# Altium PCB Copy of master.PcbDoc (part 1 of 7) (continued)
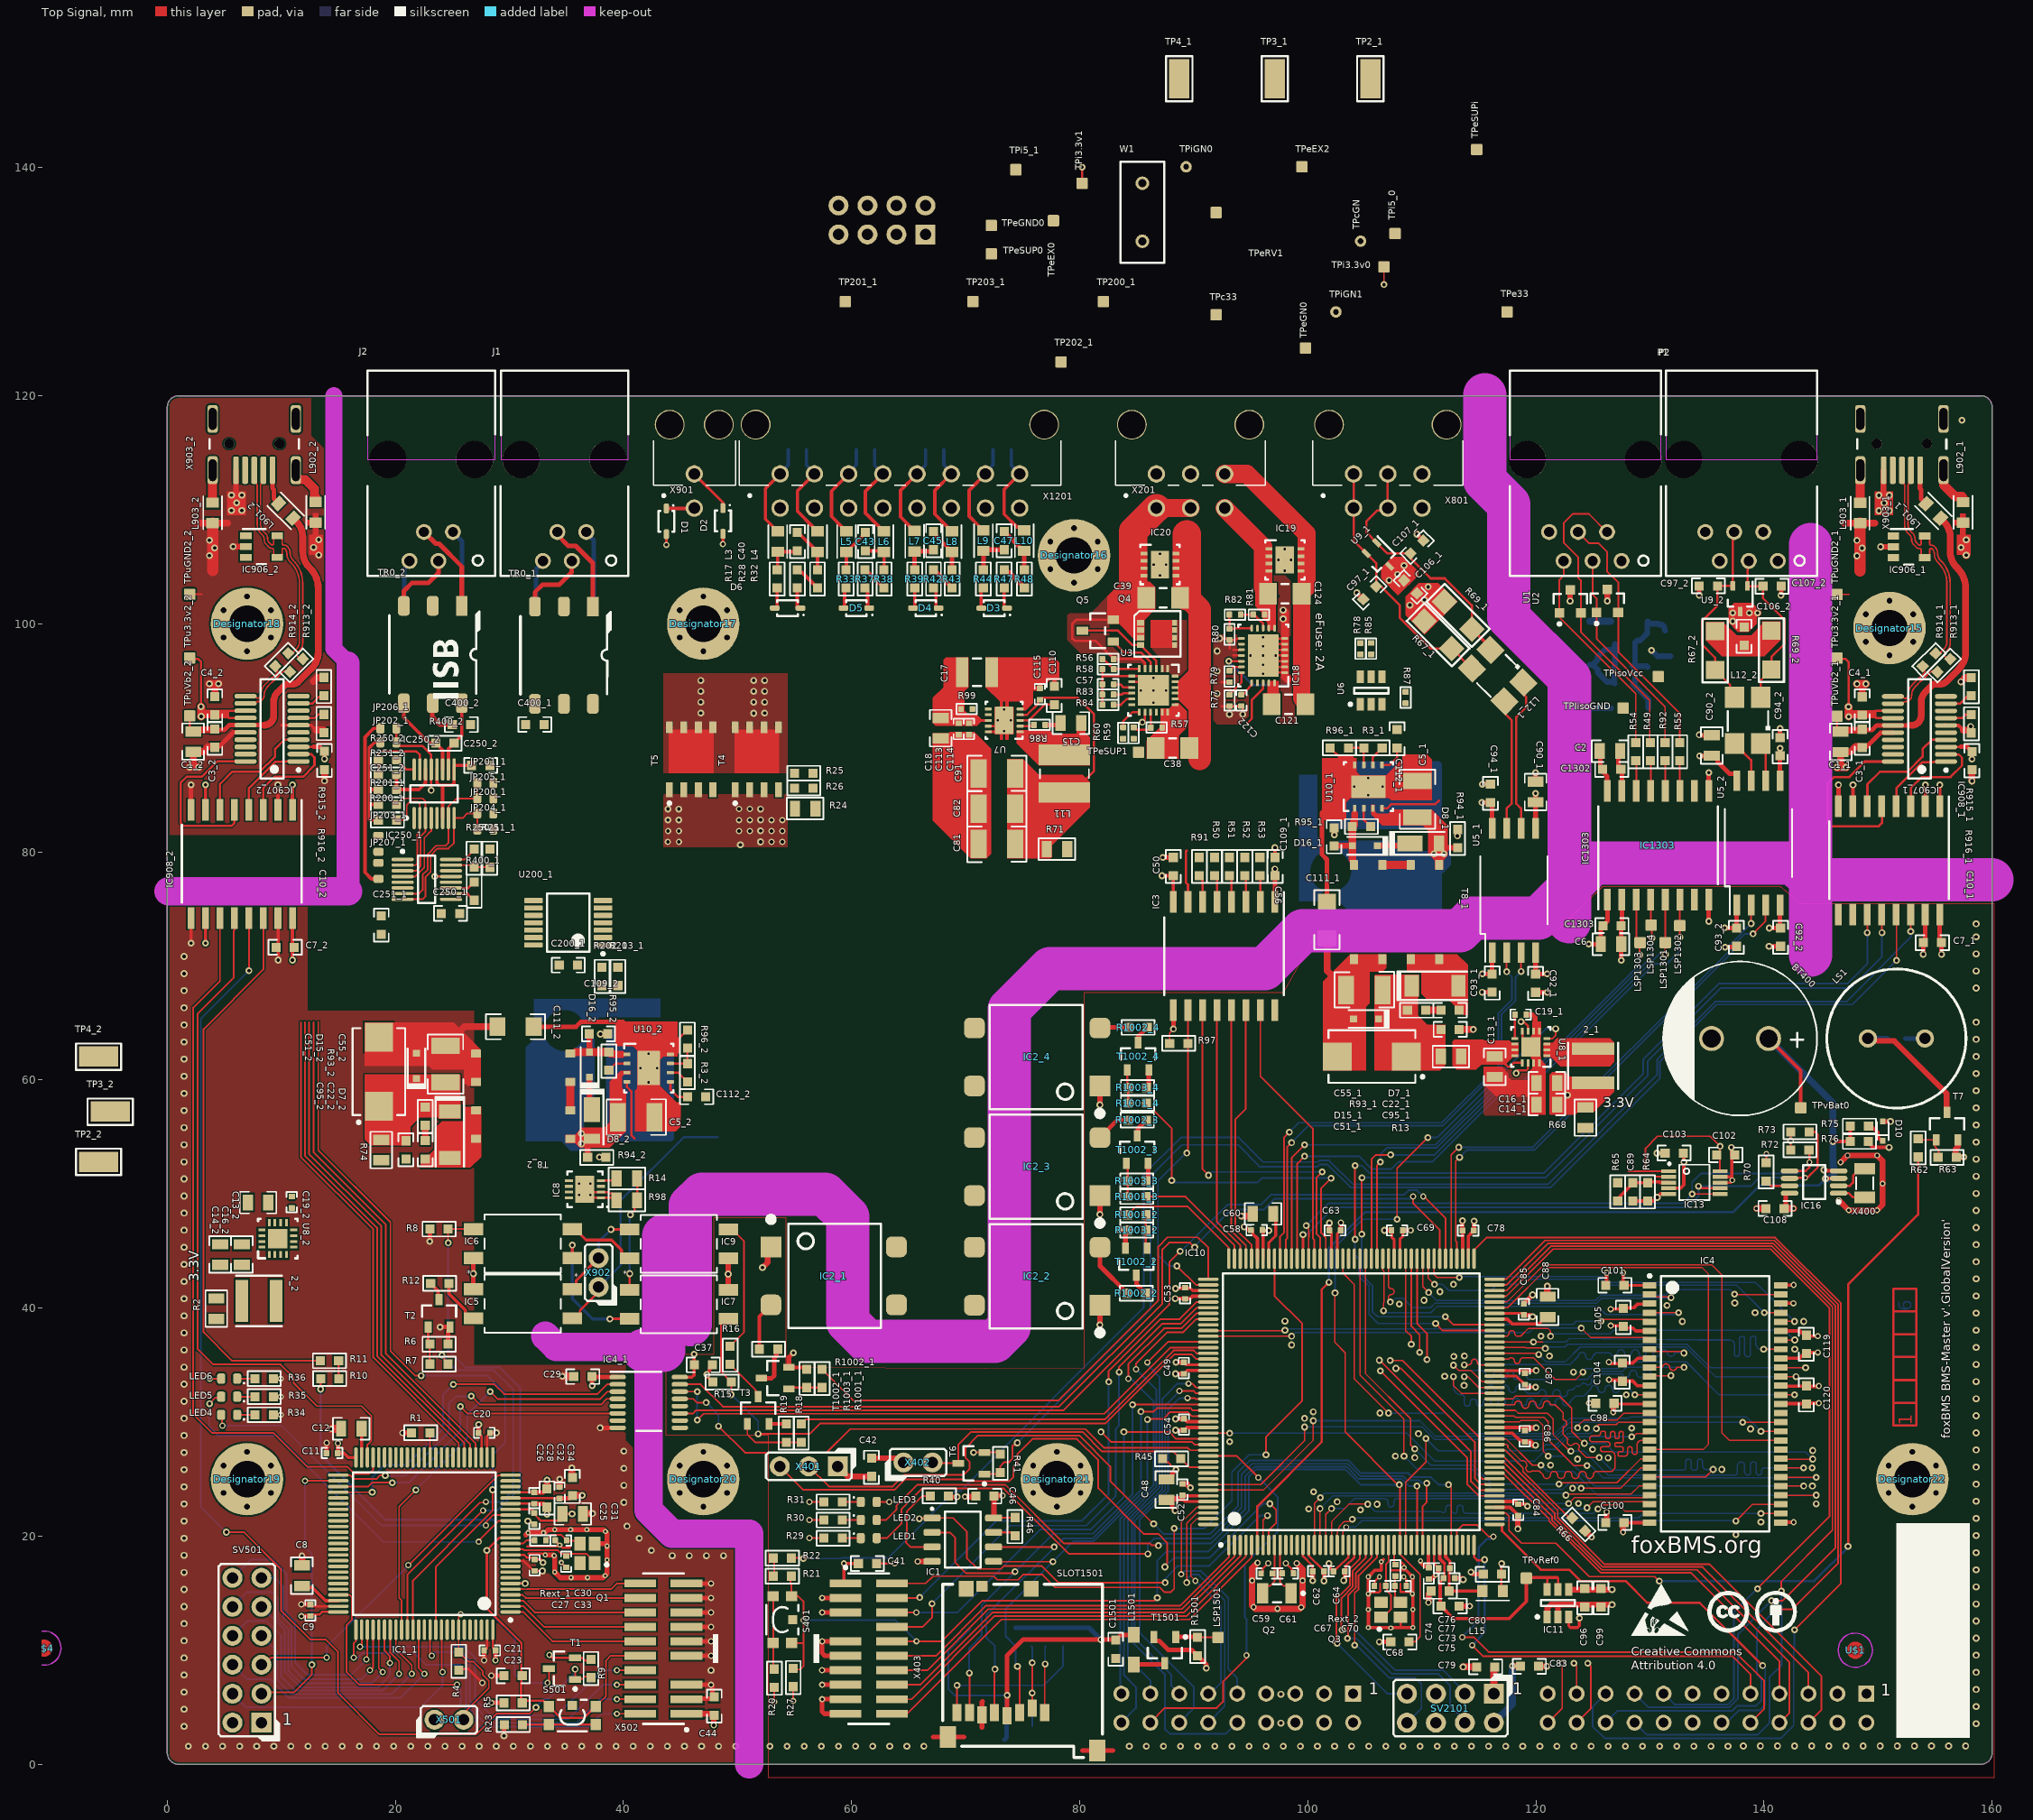
[diagram p0: Top Signal view]
## Design rules (kind name [scope] priority, off if disabled: settings) (continued)
SMDEntry [All] p1: side=TRUE corner=TRUE anyangle=TRUE
SilkToSilkClearance [All] p1: silktosilkclearance=0
SilkToSolderMaskClearance [IsPad] p1: minsilkscreentomaskgap=0.075 clearancetoexposedcopper=TRUE
SolderMaskExpansion SolderMaskExpansion_VIAs [IsVia] p1: expansion=-10 // Cover all Vias
SolderMaskExpansion [All] p2: expansion=0.051
UnRoutedNet [All] p1: checkbadconnections=TRUE
UnpouredPolygon UnpouredPolygon_1 [All] p1:
Width "Schematic Width Constraint" [InNetClass('FMC.SDRAM')] p1: maxlimit=0.44 minlimit=0.12 preferedwidth=0.44 toplayer_maxwidth=0.12 toplayer_prefwidth=0.12 midlayer1_minwidth=0.44 bottomlayer_maxwidth=0.12 bottomlayer_prefwidth=0.12 minimp=50.000000 maximp=50.000000 favimp=50.000000
Width [All] p2: maxlimit=20 minlimit=0.1 preferedwidth=0.2 toplayer_prefwidth=0.15 bottomlayer_prefwidth=0.15 minimp=50.000000 maximp=50.000000 favimp=50.000000
15 further rules are at their usual default settings.

## Classes and differential pairs
net class ISO_BAT: PRI_OUT_N PRI_OUT_P PRI_REV_N PRI_REV_P SEC_OUT_N SEC_OUT_P SEC_REV_N SEC_REV_P
net class ISO_BAT_UP: PRI_OUT_N PRI_OUT_P SEC_OUT_N SEC_OUT_P
net class ISO_BAT_DOWN: PRI_REV_N PRI_REV_P SEC_REV_N SEC_REV_P
channel class IsoDcDc-BSR033A: MCU_0_ISO MCU_1_ISO
channel class dcdc_5v0_3v3: MCU_0_VCC MCU_1_VCC
channel class CAN_new: U_08_CAN0 U_08_CAN1
net class RS485_0: +3.3V_COM GND_COM NetIC1303_11 NetIC1303_12 NetIC1303_13 NetIC1303_14 RS485_A_EXT RS485_B_EXT RS485_Y_EXT RS485_Z_EXT
net class ISO_COM: +3-4.5v_out +3.3V_COM GND_COM NetD12_2 NetD14_2 NetL14_4 NetL14_5 NetL14_6
net class HV_Nets: +9-30V_IN_1 NetC5_1_2 NetC5_2_2 NetC35_1_2 NetC35_2_2 NetC109_1_2 NetC109_2_2
component class U_03_supply1: LED3 LED6 R2 R13 R31 R36 R68 R71 R74 R78 R85 R87 R88 R99 TPc33 TPcGN TPe33 TPeEX0 TPeEX2 TPeGN0 TPi3.3v0 TPi3.3v1 TPi5_0 TPi5_1 TPiGN0 TPiGN1 U6 W1
component class MCU_1_VCC: 2_2 C13_2 C14_2 C16_2 C19_2 U8_2
component class MCU_1_ISO: C5_2 C22_2 C24_2 C35_2 C36_2 C51_2 C55_2 C95_2 C109_2 C111_2 C112_2 D7_2 D8_2 D15_2 D16_2 L1_2 L2_2 R3_2 R93_2 R94_2 R95_2 R96_2 T8_2 TP2_2 TP3_2 TP4_2 U10_2
component class MCU_0_VCC: 2_1 C13_1 C14_1 C16_1 C19_1 U8_1
component class MCU_0_ISO: C5_1 C22_1 C24_1 C35_1 C36_1 C51_1 C55_1 C95_1 C109_1 C111_1 C112_1 D7_1 D8_1 D15_1 D16_1 L1_1 L2_1 R3_1 R93_1 R94_1 R95_1 R96_1 T8_1 TP2_1 TP3_1 TP4_1 U10_1
component class EXT_SUPPLY_VCC: C15 C17 C18 C81 C82 C91 C110 C113 C114 C115 L11 R86 U7
component class COM_EXT_ISO: C65 C66 C71 C72 D12 D13 D14 L14 R89 TPIisoGND TPisoVcc U4
channel class 0301_LTC6820_chip: U_0301_LTC6820_forward1 U_0301_LTC6820_forward2 U_0301_LTC6820_reverse1 U_0301_LTC6820_reverse2
channel class 03_LTC6820: "Primary LTC6820" "Secondary LTC6820"
component class U_0301_LTC6820_reverse2: C250_4 C251_4 C400_4 IC250_4 R250_4 R251_4 R400_4 TR0_4
component class U_0301_LTC6820_reverse1: C250_2 C251_2 C400_2 IC250_2 R250_2 R251_2 R400_2 TR0_2
component class U_0301_LTC6820_forward2: C250_3 C251_3 C400_3 IC250_3 R250_3 R251_3 R400_3 TR0_3
component class U_0301_LTC6820_forward1: C250_1 C251_1 C400_1 IC250_1 R250_1 R251_1 R400_1 TR0_1
component class U_08_memorycard: C1501 C1502 L1501 LSP1501 LSP1502 LSP1503 LSP1504 LSP1505 R1501 R1502 R1503 R1504 R1505 R1506 R1507 SLOT1501 T1501
component class U_08_CAN1: C90_2 C92_2 C93_2 C94_2 C97_2 C106_2 C107_2 L12_2 R67_2 R69_2 U5_2 U9_2
component class U_07_isolated_rs485: C2 C6 C1302 C1303 IC1303 LSP1301 LSP1302 LSP1303 LSP1304 R49 R54 R55 R92 U1 U2
component class "Secondary LTC6820": C200_2 JP200_2 JP201_2 JP202_2 JP203_2 JP204_2 JP205_2 JP206_2 JP207_2 R200_2 R201_2 R202_2 R203_2 TP200_2 TP201_2 TP202_2 TP203_2 U200_2
component class "Secondary Galvanic Isolation": J1 J2
component class "Primary LTC6820": C200_1 JP200_1 JP201_1 JP202_1 JP203_1 JP204_1 JP205_1 JP206_1 JP207_1 R200_1 R201_1 R202_1 R203_1 TP200_1 TP201_1 TP202_1 TP203_1 U200_1
component class hierarchy: P1 P2 X801
differential pair class USB_DP: D_1 D_2 U_1 U_2
channel class contactor_single: CON0 CON1 CON2 CON3 CON4 CON5
component class CON3: D1001_4 IC2_4 R1001_4 R1002_4 R1003_4 T1002_4
component class CON2: D1001_3 IC2_3 R1001_3 R1002_3 R1003_3 T1002_3
component class CON1: D1001_2 IC2_2 R1001_2 R1002_2 R1003_2 T1002_2
component class CON0: D1001_1 IC2_1 R1001_1 R1002_1 R1003_1 T1002_1
channel class isolated_usb_single: USB0 USB1
component class USB1: C1_2 C3_2 C4_2 C7_2 C10_2 IC906_2 IC907_2 IC908_2 L901_2 L902_2 L903_2 R913_2 R914_2 R915_2 R916_2 TPu3.3v2_2 TPuGND2_2 TPuVb2_2 X903_2
component class USB0: C1_1 C3_1 C4_1 C7_1 C10_1 IC906_1 IC907_1 IC908_1 L901_1 L902_1 L903_1 R913_1 R914_1 R915_1 R916_1 TPu3.3v2_1 TPuGND2_1 TPuVb2_1 X903_1
net class FMC.UDQ: FMC_MCU_0_RAM_D0 FMC_MCU_0_RAM_D1 FMC_MCU_0_RAM_D2 FMC_MCU_0_RAM_D3 FMC_MCU_0_RAM_D4 FMC_MCU_0_RAM_D5 FMC_MCU_0_RAM_D6 FMC_MCU_0_RAM_D7 FMC_MCU_0_RAM_D8 FMC_MCU_0_RAM_D9 FMC_MCU_0_RAM_D10 FMC_MCU_0_RAM_D11 FMC_MCU_0_RAM_D12 FMC_MCU_0_RAM_D13 FMC_MCU_0_RAM_D14 FMC_MCU_0_RAM_D15
net class FMC.SDRAM: FMC_MCU_0_RAM_A0 FMC_MCU_0_RAM_A1 FMC_MCU_0_RAM_A2 FMC_MCU_0_RAM_A3 FMC_MCU_0_RAM_A4 FMC_MCU_0_RAM_A5 FMC_MCU_0_RAM_A6 FMC_MCU_0_RAM_A7 FMC_MCU_0_RAM_A8 FMC_MCU_0_RAM_A9 FMC_MCU_0_RAM_A10 FMC_MCU_0_RAM_A11 FMC_MCU_0_RAM_BA0 FMC_MCU_0_RAM_BA1 FMC_MCU_0_RAM_D0 FMC_MCU_0_RAM_D1 FMC_MCU_0_RAM_D2 FMC_MCU_0_RAM_D3 FMC_MCU_0_RAM_D4 FMC_MCU_0_RAM_D5 FMC_MCU_0_RAM_D6 FMC_MCU_0_RAM_D7 FMC_MCU_0_RAM_D8 FMC_MCU_0_RAM_D9 FMC_MCU_0_RAM_D10 FMC_MCU_0_RAM_D11 FMC_MCU_0_RAM_D12 FMC_MCU_0_RAM_D13 FMC_MCU_0_RAM_D14 FMC_MCU_0_RAM_D15 FMC_MCU_0_RAM_NBL0 FMC_MCU_0_RAM_NBL1 FMC_MCU_0_RAM_SDCKE1 FMC_MCU_0_RAM_SDCLK FMC_MCU_0_RAM_SDNCAS FMC_MCU_0_RAM_SDNE1 FMC_MCU_0_RAM_SDNRAS FMC_MCU_0_RAM_SDNWE
net class FMC.LDQ: FMC_MCU_0_RAM_D0 FMC_MCU_0_RAM_D1 FMC_MCU_0_RAM_D2 FMC_MCU_0_RAM_D3 FMC_MCU_0_RAM_D4 FMC_MCU_0_RAM_D5 FMC_MCU_0_RAM_D6 FMC_MCU_0_RAM_D7 FMC_MCU_0_RAM_D8 FMC_MCU_0_RAM_D9 FMC_MCU_0_RAM_D10 FMC_MCU_0_RAM_D11 FMC_MCU_0_RAM_D12 FMC_MCU_0_RAM_D13 FMC_MCU_0_RAM_D14 FMC_MCU_0_RAM_D15
net class FMC.DQM: FMC_MCU_0_RAM_D0 FMC_MCU_0_RAM_D1 FMC_MCU_0_RAM_D2 FMC_MCU_0_RAM_D3 FMC_MCU_0_RAM_D4 FMC_MCU_0_RAM_D5 FMC_MCU_0_RAM_D6 FMC_MCU_0_RAM_D7 FMC_MCU_0_RAM_D8 FMC_MCU_0_RAM_D9 FMC_MCU_0_RAM_D10 FMC_MCU_0_RAM_D11 FMC_MCU_0_RAM_D12 FMC_MCU_0_RAM_D13 FMC_MCU_0_RAM_D14 FMC_MCU_0_RAM_D15
net class FMC.CNTRL: FMC_MCU_0_RAM_NBL0 FMC_MCU_0_RAM_NBL1 FMC_MCU_0_RAM_SDCKE1 FMC_MCU_0_RAM_SDCLK FMC_MCU_0_RAM_SDNE1
net class FMC.CMD: FMC_MCU_0_RAM_SDNCAS FMC_MCU_0_RAM_SDNRAS FMC_MCU_0_RAM_SDNWE
net class FMC.ADR: FMC_MCU_0_RAM_A0 FMC_MCU_0_RAM_A1 FMC_MCU_0_RAM_A2 FMC_MCU_0_RAM_A3 FMC_MCU_0_RAM_A4 FMC_MCU_0_RAM_A5 FMC_MCU_0_RAM_A6 FMC_MCU_0_RAM_A7 FMC_MCU_0_RAM_A8 FMC_MCU_0_RAM_A9 FMC_MCU_0_RAM_A10 FMC_MCU_0_RAM_A11 FMC_MCU_0_RAM_BA0 FMC_MCU_0_RAM_BA1
net class ISO_MCU_USB: D_1_N D_1_P D_2_N D_2_P ISO_FTDI_DTR_1 ISO_FTDI_DTR_2 ISO_FTDI_RTS_1 ISO_FTDI_RTS_2 ISO_FTDI_RX_1 ISO_FTDI_RX_2 ISO_FTDI_TX_1 ISO_FTDI_TX_2 NetIC907_1_7 NetIC907_1_9 NetIC907_2_7 NetIC907_2_9 NetIC1401_1 NetIC1401_3 NetIC1402_5 NetIC1402_8 NetIC1402_10 NetIC1402_17 NetIC1402_18 NetIC1402_19 NetL902_1_2 NetL902_2_2 NetL903_1_2 NetL903_2_2 NetX1401_4 NetX1401_6 NetX1401_7 NetX1401_8 NetX1401_9 U_1_N U_1_P U_2_N U_2_P USB_+3.3V_1 USB_+3.3V_2 USB_+VBUS_1 USB_+VBUS_2 USB_GND_1 USB_GND_2 USB_VBUS_1 USB_VBUS_2
net class ISO_MCU: +3.3V_0 +3.3V_0+ +3.3V_0_IN +5.0V_0 +5.0V_0+ +Vbat_0 +Vdda_0 +Vref_0 ADC_MCU_0_CH_0 ADC_MCU_0_CH_1 ADC_MCU_0_CH_2 ADC_MCU_0_CH_3 ADC_MCU_0_CH_4 BMS-INTERFACE_0_GPIO_0 BMS-INTERFACE_0_GPIO_1 BMS-INTERFACE_0_GPIO_2 BMS-INTERFACE_0_GPIO_3 BMS-INTERFACE_0_SPI_CS BMS-INTERFACE_0_SPI_MISO BMS-INTERFACE_0_SPI_MOSI BMS-INTERFACE_0_SPI_SCK BOOT_0_MCU_0 C\S\_\F\W\_1 C\S\_\R\V\_1 CAN_0_RX CAN_0_TRANS_STANDBY_CONTROL CAN_0_TX CAN_1_RX CAN_1_TRANS_STANDBY_CONTROL CAN_1_TX CONTACTOR_0_CONTROL CONTACTOR_0_FEEDBACK CONTACTOR_1_CONTROL CONTACTOR_1_FEEDBACK CONTACTOR_2_CONTROL CONTACTOR_2_FEEDBACK CONTACTOR_3_CONTROL CONTACTOR_3_FEEDBACK CONTACTOR_5_CONTROL CONTACTOR_5_FEEDBACK CONTACTOR_6_CONTROL CONTACTOR_6_FEEDBACK CONTACTOR_7_CONTROL CONTACTOR_7_FEEDBACK CONTACTOR_8_CONTROL CONTACTOR_8_FEEDBACK CONTACTOR_SUPPLY_FAULT CONTACTOR_SUPPLY_SHDN CS_1 D\I\R\_1 DATA_STORAGE_SPI_EEPROM_CS DATA_STORAGE_SPI_Memory_NSS DATA_STORAGE_SPI_Memorycard_NSS DATA_STORAGE_SPI_MISO DATA_STORAGE_SPI_MOSI DATA_STORAGE_SPI_SCK DEBUG_LED_0_MCU_0 DEBUG_LED_1_MCU_0 DIR_1 EN-BACKUP_1 FMC_MCU_0_RAM_A0 FMC_MCU_0_RAM_A1 FMC_MCU_0_RAM_A2 FMC_MCU_0_RAM_A3 FMC_MCU_0_RAM_A4 FMC_MCU_0_RAM_A5 FMC_MCU_0_RAM_A6 FMC_MCU_0_RAM_A7 FMC_MCU_0_RAM_A8 FMC_MCU_0_RAM_A9 FMC_MCU_0_RAM_A10 FMC_MCU_0_RAM_A11 FMC_MCU_0_RAM_BA0 FMC_MCU_0_RAM_BA1 FMC_MCU_0_RAM_D0 FMC_MCU_0_RAM_D1 FMC_MCU_0_RAM_D2 FMC_MCU_0_RAM_D3 FMC_MCU_0_RAM_D4 FMC_MCU_0_RAM_D5 FMC_MCU_0_RAM_D6 FMC_MCU_0_RAM_D7 FMC_MCU_0_RAM_D8 FMC_MCU_0_RAM_D9 FMC_MCU_0_RAM_D10 FMC_MCU_0_RAM_D11 FMC_MCU_0_RAM_D12 FMC_MCU_0_RAM_D13 FMC_MCU_0_RAM_D14 FMC_MCU_0_RAM_D15 FMC_MCU_0_RAM_NBL0 FMC_MCU_0_RAM_NBL1 FMC_MCU_0_RAM_SDCKE1 FMC_MCU_0_RAM_SDCLK FMC_MCU_0_RAM_SDNCAS FMC_MCU_0_RAM_SDNE1 FMC_MCU_0_RAM_SDNRAS FMC_MCU_0_RAM_SDNWE FTDI_MCU_0_DTR FTDI_MCU_0_RTS FTDI_MCU_0_RX FTDI_MCU_0_TX GND_0 GPIO.RTC_INT# HSE_1_MCU_0 HSE_2_MCU_0 I2C3.SCL I2C3.SDA INTERLOCK_CONTROL_MCU_0 INTERLOCK_FEEDBACK_MCU_0 ISO_GPIO_MCU_0_IN_0 ISO_GPIO_MCU_0_IN_1 ISO_GPIO_MCU_0_IN_2 ISO_GPIO_MCU_0_IN_3 ISO_GPIO_MCU_0_OUT_0 ISO_GPIO_MCU_0_OUT_1 ISO_GPIO_MCU_0_OUT_2 ISO_GPIO_MCU_0_OUT_3 ISONOC_0_CONTROL ISONOC_1_CONTROL ISONOC_2_CONTROL ISONOC_3_CONTROL ISONOC_4_CONTROL ISONOC_5_CONTROL LSE_1_MCU_0 LSE_2_MCU_0 MCU_0_NRESET MCU_0_RTC_ALARM_OUT MCU_0_RTC_WAKEUP_IN MCU_0_SWCLK MCU_0_SWDIO MCU_0_SWO MCU_0_TDI MCU_TO_FPGA_INTERFACE_MCU_0_CS MCU_TO_FPGA_INTERFACE_MCU_0_MISO MCU_TO_FPGA_INTERFACE_MCU_0_MOSI MCU_TO_FPGA_INTERFACE_MCU_0_SCK MCU_TO_MCU_INTERFACE_MCU_0_CS MCU_TO_MCU_INTERFACE_MCU_0_MISO MCU_TO_MCU_INTERFACE_MCU_0_MOSI MCU_TO_MCU_INTERFACE_MCU_0_SCK Memory_SUPPLY_CONTROL Memorycard_SUPPLY Memorycard_SUPPLY_CONTROL Net2_1_1 NetC19_1_2 NetC60_1 NetC70_1 NetC88_1 NetC400_1_2 NetC400_2_2 NetD10_2 NetIC1_3 NetIC1_7 NetIC2_1_2 NetIC2_2_2 NetIC2_3_2 NetIC2_4_2 NetIC9_2 NetIC10_58 NetIC16_1 NetIC16_2 NetIC250_1_15 NetIC250_1_16 NetIC250_2_15 NetIC250_2_16 NetIC802_4 NetIC802_6 NetL1501_2 NetLED1_1 NetLED2_1 NetLED3_1 NetLS1_2 NetR16_1 NetR18_1 NetR20_2 NetR21_2 NetR62_1 NetR1001_1_1 NetR1001_2_1 NetR1001_3_1 NetR1001_4_1 NetR1002_1_1 NetR1002_2_1 NetR1002_3_1 NetR1002_4_1 NetR1502_1 NetR1503_1 OUT_1_N OUT_1_P OUT_2_N OUT_2_P PHA_1 PIEZO_MCU_0_PWM POL_1 PRI_OUT_N PRI_OUT_P PRI_REV_N PRI_REV_P RS485_DE RS485_MCU_0_NRE RS485_MCU_0_RX RS485_MCU_0_TX SLOW_1 TRACECLK_MCU_0 TRACED0_MCU_0 TRACED1_MCU_0 TRACED2_MCU_0 TRACED3_MCU_0 VBU_MON VIN_MON
net class ISO_MCU_SEC: +3.3V_1 +3.3V_1+ +5.0V_1 +5.0V_1+ BMS-INTERFACE_1_GPIO_0 BMS-INTERFACE_1_GPIO_1 BMS-INTERFACE_1_GPIO_2 BMS-INTERFACE_1_GPIO_3 BMS-INTERFACE_1_SPI_CS BMS-INTERFACE_1_SPI_MISO BMS-INTERFACE_1_SPI_MOSI BMS-INTERFACE_1_SPI_SCK BOOT_0_MCU_1 C\S\_\F\W\_2 C\S\_\R\V\_2 CAN_0_MCU_1_RX CAN_0_MCU_1_TX CS_2 D\I\R\_2 DEBUG_LED_0_MCU_1 DEBUG_LED_1_MCU_1 DIR_2 EN-BACKUP_2 FTDI_MCU_1_DTR FTDI_MCU_1_RTS FTDI_MCU_1_RX FTDI_MCU_1_TX GND_1 GPIO_MCU_1_0 GPIO_MCU_1_1 GPIO_MCU_1_2 GPIO_MCU_1_3 GPIO_MCU_1_4 GPIO_MCU_1_5 HSE_1_MCU_1 HSE_2_MCU_1 INTERLOCK_CONTROL_MCU_1 INTERLOCK_FEEDBACK_MCU_1 MCU_1_NRESET MCU_1_SWCLK MCU_1_SWDIO MCU_1_SWO MCU_1_TDI MCU_TO_MCU_INTERFACE_MCU_1_CS MCU_TO_MCU_INTERFACE_MCU_1_MISO MCU_TO_MCU_INTERFACE_MCU_1_MOSI MCU_TO_MCU_INTERFACE_MCU_1_SCK Net2_2_1 NetC8_1 NetC12_1 NetC19_2_2 NetC30_1 NetC400_3_2 NetC400_4_2 NetIC1_1_37 NetIC5_2 NetIC250_3_15 NetIC250_3_16 NetIC250_4_15 NetIC250_4_16 NetLED4_1 NetLED5_1 NetLED6_1 NetR6_1 NetR10_2 NetR12_1 NetR23_2 OUT_3_N OUT_3_P OUT_4_N OUT_4_P PHA_2 POL_2 SEC_OUT_N SEC_OUT_P SEC_REV_N SEC_REV_P SLOW_2 TRACECLK_MCU_1 TRACED0_MCU_1 TRACED1_MCU_1 TRACED2_MCU_1 TRACED3_MCU_1 USART_MCU_1_RX USART_MCU_1_TX
net class ISO_EXT: +3.3V_COM +3.3v_in +9-30V_IN_1 CAN_0_H CAN_0_L CAN_1_H CAN_1_L COM_EXT_ISO_EN CONTACTOR_0_COIL_POS CONTACTOR_0_FEEDBACK_EXT CONTACTOR_1_COIL_POS CONTACTOR_1_FEEDBACK_EXT CONTACTOR_2_COIL_POS CONTACTOR_2_FEEDBACK_EXT CONTACTOR_3_COIL_POS CONTACTOR_3_FEEDBACK_EXT CONTACTOR_SUPPLY_FAULT_EXT CONTACTOR_SUPPLY_SHDN_EXT CONTACTORS_COMMON_NEG EXT_0.FAULT EXT_0.SHDN EXT_0_GND EXT_0_SUPPLY EXT_2.PGOOD EXT_2_SUPPLY EXT_+3.3V_0+ EXT_+3.3V_0_PG FB_EXT_0 FB_EXT_1 FB_EXT_2 FB_EXT_3 GND_COM INTERLOCK_STATUS MCU_0_ISO_EN MCU_1_ISO_EN NetC15_1 NetC15_2 NetC40_1 NetC40_2 NetC43_1 NetC43_2 NetC45_1 NetC45_2 NetC47_1 NetC47_2 NetC57_1 NetC106_1_1 NetC106_2_1 NetC110_2 NetC122_1 NetC1201_1 NetC1201_2 NetC1203_1 NetC1203_2 NetC1205_1 NetC1205_2 NetC1209_1 NetC1209_2 NetD1_1 NetIC5_4 NetIC6_2 NetIC7_1 NetIC8_1 NetIC8_4 NetIC18_10 NetIC18_12 NetIC18_18 NetIC18_19 NetIC702_6 NetIC1303_11 NetIC1303_12 NetIC1303_13 NetIC1303_14 NetL12_1_1 NetL12_1_4 NetL12_2_1 NetL12_2_4 NetL14_1 NetL14_3 NetQ4_4 NetQ4_5 NetQ5_1 NetR25_2 NetR26_2 NetR56_1 NetR57_1 NetR60_2 NetR83_2 NetR84_2 NetR86_1 NetX801_2 RS485_A_EXT RS485_B_EXT RS485_Y_EXT RS485_Z_EXT RTN_EXT_0 SUPPLY_ext ZHS_0 ZHS_2
net class CAN_ISO: +3.3V_COM +3.3v_in CAN_0_H CAN_0_L CAN_1_H CAN_1_L EXT_0_GND GND_COM NetC106_1_1 NetC106_2_1 NetL12_1_1 NetL12_1_4 NetL12_2_1 NetL12_2_4 NetX801_2
component class U_0405_ext_bootload_activation: R41 R45 T6 X402
component class U_0404_debug_LED: LED1 LED2 R29 R30
component class U_0403_crystals: C59 C61 C67 C70 Q2 Q3 Rext_2
component class U_0400_power: BT400 C48 C49 C52 C53 C54 C58 C62 C63 C64 C69 C73 C74 C75 C76 C77 C78 C80 C84 C85 C86 C87 C89 C96 C99 C102 C103 C108 D10 D16 IC11 IC13 IC16 L15 R64 R65 R70 R75 R76 TPvBat0 TPvRef0 X400
component class U_18_connector_to_BMS_extension: JP2201 JP2202
component class U_17_FPGA_SPI_interface: C79 C83 SV2101
component class U_16_8MB_SDRAM: C98 C100 C101 C104 C105 C119 C120 IC4
component class U_14_EEPROM: C46 IC1 R40 R46
component class U_10_contactor_control: C40 C42 C43 C45 C47 C50 C56 C1201 C1203 C1205 C1209 D3 D4 D5 D6 IC3 L3 L4 L5 L6 L7 L8 L9 L10 R17 R25 R26 R28 R32 R33 R37 R38 R39 R42 R43 R44 R47 R48 R50 R51 R52 R53 R91 R97 T4 T5 X1201
component class U_09_interlock_circuit: D1 D2 IC5 IC6 IC7 IC8 IC9 R6 R7 R8 R12 R14 R15 R16 R18 R19 R24 R98 SV901 T2 T3 X901 X902
component class U_08_CAN0: C90_1 C92_1 C93_1 C94_1 C97_1 C106_1 C107_1 D15 L12_1 R67_1 R69_1 U5_1 U9_1
component class U_06_mcu0_to_mcu1_isolated_SPI: C29 C37 IC4_1
component class U_05_mcu1_secondary: C8 C9 C11 C12 C20 C21 C23 C25 C26 C27 C28 C30 C31 C32 C33 C34 C44 IC1_1 LED4 LED5 Q1 R1 R4 R5 R9 R10 R11 R23 R34 R35 Rext_1 S501 SV501 T1 X501 X502
component class U_04_mcu0_primary: C41 C60 C68 C88 IC10 LS1 R20 R21 R22 R27 R61 R62 R63 R66 R72 R73 S401 T7 X401 X403
component class EXT_SUPPLY: C38 C39 C57 C121 C122 C124 IC18 IC19 IC20 Q4 Q5 R56 R57 R58 R59 R60 R77 R79 R80 R81 R82 R83 R84 TPeGND0 TPeRV1 TPeSUP0 TPeSUP1 TPeSUPi U3 X201
net class BMS-INTERFACE_1_GPIO_[0..3]: BMS-INTERFACE_1_GPIO_0 BMS-INTERFACE_1_GPIO_1 BMS-INTERFACE_1_GPIO_2 BMS-INTERFACE_1_GPIO_3
net class BMS-INTERFACE_0_GPIO_[0..3]: BMS-INTERFACE_0_GPIO_0 BMS-INTERFACE_0_GPIO_1 BMS-INTERFACE_0_GPIO_2 BMS-INTERFACE_0_GPIO_3
net class ADC_MCU_0_CH_[0..4]: ADC_MCU_0_CH_0 ADC_MCU_0_CH_1 ADC_MCU_0_CH_2 ADC_MCU_0_CH_3 ADC_MCU_0_CH_4
net class FMC_MCU_0_RAM_NBL[0..1]: FMC_MCU_0_RAM_NBL0 FMC_MCU_0_RAM_NBL1
net class FMC_MCU_0_RAM_D[0..15]: FMC_MCU_0_RAM_D0 FMC_MCU_0_RAM_D1 FMC_MCU_0_RAM_D2 FMC_MCU_0_RAM_D3 FMC_MCU_0_RAM_D4 FMC_MCU_0_RAM_D5 FMC_MCU_0_RAM_D6 FMC_MCU_0_RAM_D7 FMC_MCU_0_RAM_D8 FMC_MCU_0_RAM_D9 FMC_MCU_0_RAM_D10 FMC_MCU_0_RAM_D11 FMC_MCU_0_RAM_D12 FMC_MCU_0_RAM_D13 FMC_MCU_0_RAM_D14 FMC_MCU_0_RAM_D15
net class FMC_MCU_0_RAM_BA[0..1]: FMC_MCU_0_RAM_BA0 FMC_MCU_0_RAM_BA1
net class FMC_MCU_0_RAM_A[0..11]: FMC_MCU_0_RAM_A0 FMC_MCU_0_RAM_A1 FMC_MCU_0_RAM_A2 FMC_MCU_0_RAM_A3 FMC_MCU_0_RAM_A4 FMC_MCU_0_RAM_A5 FMC_MCU_0_RAM_A6 FMC_MCU_0_RAM_A7 FMC_MCU_0_RAM_A8 FMC_MCU_0_RAM_A9 FMC_MCU_0_RAM_A10 FMC_MCU_0_RAM_A11
polygon class PolygonThermal_OFF: GND_EXT_0_L02_P055 Polygon_1_Net_+3.3V_0 Polygon_1_Net_+3.3V_1 Polygon_1_Net_GND_0 Polygon_1_Net_GND_1 Polygon_1_Net_SUPPLY_EXT_0 Polygon_1_Net_SUPPLY_EXT_2 Polygon_2_Net_SUPPLY_EXT_2
pad class SMDSolder_OFF: IC1101-2 T901-2 T901-4 T901-S
pad class SMDPaste_OFF: IC1101-2 T901-1 T901-2 T901-3 T901-4 T901-D T901-G T901-S
differential pair U_2: +U_2_P -U_2_N
differential pair U_1: +U_1_P -U_1_N
differential pair D_2: +D_2_P -D_2_N
differential pair D_1: +D_1_P -D_1_N

## Components (designator, comment, footprint, x,y, rotation, side; value= is the part's Value field where it differs from the comment)
2_1 "PA4332.222NLT" PA4332 125.021,61.239 r270 top value=Value (schematic designator 2)
2_2 "PA4332.222NLT" PA4332 8.028,40.626 r180 top value=Value (schematic designator 2)
BT400 "330m" KW-5R5C 137.897,63.637 r180 top locked
C1_1 "4.7µF 16V" 0805C 146.719,89.646 r270 top (schematic designator C1)
C1_2 "4.7µF 16V" 0805C 2.273,89.662 r270 top (schematic designator C1)
C2 "10µF 10V" 0805C 126.49,88.838 r0 top
C3_1 "100nF 50V" 0603C 148.611,89.95 r270 top (schematic designator C3)
C3_2 "100nF 50V" 0603C 4.166,89.967 r270 top (schematic designator C3)
C4_1 "100nF 50V" 0603C 148.611,92.795 r90 top (schematic designator C4)
C4_2 "100nF 50V" 0603C 4.166,92.812 r90 top (schematic designator C4)
C5_1 "GRM32DC72A475KE01L" 1210C 109.614,84.622 r270 top value=4.7uF (schematic designator C5)
C5_2 "GRM32DC72A475KE01L" 1210C 41.114,56.735 r180 top value=4.7uF (schematic designator C5)
C6 "10µF 10V" 0805C 126.582,71.907 r0 top
C7_1 "100nF 50V" 0603C 154.762,72.049 r180 top (schematic designator C7)
C7_2 "100nF 50V" 0603C 10.334,71.628 r180 top (schematic designator C7)
C8 "2.2µF 25V" 0805C 11.811,16.533 r90 top
C9 "100nF 50V" 0402C 12.541,13.495 r90 top
C10_1 "100nF 50V" 0603C 158.226,87.998 r270 top (schematic designator C10)
C10_2 "100nF 50V" 0603C 13.78,88.014 r270 top (schematic designator C10)
C11 "100nF 50V" 0402C 14.446,27.291 r180 top
C12 "2.2µF 25V" 0805C 16.134,29.428 r180 top
C13_1 "10µF 10V" 0805C 116.395,61.17 r270 top (schematic designator C13)
C13_2 "10µF 10V" 0805C 7.959,49.253 r180 top (schematic designator C13)
C14_1 "10µF 10V" 0805C 120.957,57.84 r180 top (schematic designator C14)
C14_2 "10µF 10V" 0805C 4.629,44.69 r90 top (schematic designator C14)
C15 "100nF 50V" 0805C 79.225,91.297 r180 top
C16_1 "10µF 10V" 0805C 120.957,59.739 r180 top (schematic designator C16)
C16_2 "10µF 10V" 0805C 6.528,44.69 r90 top (schematic designator C16)
C17 "10uF 50V" CAPC3225X279X50LL20T25 70.988,95.743 r180 top
C18 "100nF 50V" 0805C 67.817,90.847 r90 top
C19_1 "390pF 25V" 0402C 118.663,65.733 r180 top (schematic designator C19)
C19_2 "390pF 25V" 0402C 10.916,49.285 r270 top (schematic designator C19)
C20 "100nF 50V" 0402C 27.787,29.063 r0 top
C21 "100nF 50V" 0402C 28.281,9.988 r180 top
C22_1 "GRM1885C2A220JA01D" 0603C 112.471,66.12 r0 top value=22pF (schematic designator C22)
C22_2 "GRM1885C2A220JA01D" 0603C 22.612,53.878 r270 top value=22pF (schematic designator C22)
C23 "100nF 50V" 0603C 30.321,7.765 r180 top
C24_1 "GRM188R72A104KA35J" 0603C 102.002,87.131 r270 bottom value=0.1uF (schematic designator C24)
C24_2 "GRM188R72A104KA35J" 0603C 43.624,64.347 r180 bottom value=0.1uF (schematic designator C24)
C25 "100nF 50V" 0402C 32.18,21.54 r270 top
C26 "100nF 50V" 0402C 32.18,23.345 r270 top
C27 "100nF 50V" 0402C 32.206,17.457 r270 top
C28 "1.0µF 25V" 0603C 33.284,23.352 r270 top
C29 "100nF 50V" 0603C 36.433,33.997 r180 top
C30 "18pF 50V" 0402C 34.515,19.628 r180 top
C31 "4.7µF 16V" 0805C 35.54,21.953 r0 top
C32 "100nF 50V" 0402C 34.392,23.805 r90 top
C33 "18pF 50V" 0402C 34.976,17.762 r90 top
C34 "1.0µF 25V" 0603C 35.52,24.353 r90 top
C35_1 "GRM32DC72A475KE01L" 1210C 101.572,83.254 r180 bottom value=4.7uF (schematic designator C35)
C35_2 "GRM32DC72A475KE01L" 1210C 39.747,64.777 r90 bottom value=4.7uF (schematic designator C35)
C36_1 "EEE-FK2A330P" SM_RADIAL_G 110.737,81.333 r90 bottom value=33uF (schematic designator C36)
C36_2 "EEE-FK2A330P" SM_RADIAL_G 37.825,55.612 r0 bottom value=33uF (schematic designator C36)
C37 "100nF 50V" 0603C 47,35.027 r180 top
C38 "GRM31CR72A105KA01L" CAPC3216X180X55ML20T25 88.134,89.112 r180 top
C39 "GRM31CR72A105KA01L" CAPC3216X180X55ML20T25 87.313,102.269 r180 top
C40 "100nF 50V" 0603C 55.245,107.202 r90 top
C41 "100nF 50V" 0603C 61.389,17.607 r0 top
C42 "100nF 50V" 0603C 61.747,26.04 r270 top
C43 "100nF 50V" 0603C 61.214,107.202 r270 top
C44 "100nF 50V" 0603C 47.954,5.105 r90 top
C45 "100nF 50V" 0603C 67.177,107.291 r90 top
C46 "100nF 50V" 0603C 71.685,23.515 r0 top
C47 "100nF 50V" 0603C 73.373,107.291 r90 top
C48 "4.7µF 16V" 0805C 87.605,24.079 r90 top
C49 "100nF 50V" 0402C 89.125,34.739 r90 top
C50 "100nF 50V" 0603C 88.2,78.713 r270 top
C51_1 "T598D107M010ATE025" 7343-31 105.618,62.058 r180 top value=220uF (schematic designator C51)
C51_2 "T598D107M010ATE025" 7343-31 18.55,60.731 r90 top value=220uF (schematic designator C51)
C52 "100nF 50V" 0402C 89.002,24.079 r90 top
C53 "100nF 50V" 0402C 89.238,41.3 r90 top
C54 "100nF 50V" 0402C 89.138,29.791 r90 top
C55_1 "GRM32EC80J107ME20L" 1210C 104.956,67.896 r180 top value=100uF (schematic designator C55)
C55_2 "GRM32EC80J107ME20L" 1210C 24.389,61.393 r90 top value=100uF (schematic designator C55)
C56 "1.0µF 25V" 0603C 97.133,78.713 r90 top
C57 "10nF 50V" 0402C 82.487,94.7 r180 top
C58 "100nF 50V" 0402C 95.512,46.84 r0 top
C59 "18pF 50V" 0402C 96.399,16.736 r0 top
C60 "2.2µF 25V" 0805C 96.063,48.26 r180 top
C61 "18pF 50V" 0402C 98.247,16.739 r0 top
C62 "100nF 50V" 0402C 100.925,16.924 r180 top
C63 "100nF 50V" 0402C 102.387,46.817 r0 top
C64 "100nF 50V" 0402C 102.743,16.916 r180 top
C65 "100nF 50V" 0603C 127.687,94.761 r0 bottom
C66 "1.0µF 25V" 0603C 127.67,96.296 r0 bottom
C67 "18pF 50V" 0402C 106.33,15.634 r0 top
C68 "100nF 50V" 0603C 108.072,10.728 r180 top
C69 "100nF 50V" 0402C 107.829,46.817 r0 top
C70 "18pF 50V" 0402C 108.138,15.634 r0 top
C71 "10µF 10V" 0805C 127.842,98.212 r0 bottom
C72 "10µF 10V" 0805C 108.713,95.815 r90 bottom
C73 "1.0µF 25V" 0603C 111.608,15.189 r180 top
C74 "100nF 50V" 0402C 110.612,16.736 r270 top
C75 "1.0µF 25V" 0603C 112.471,13.868 r0 top
C76 "100nF 50V" 0402C 111.963,17.196 r180 top
C77 "100nF 50V" 0402C 112.395,16.307 r0 top
C78 "100nF 50V" 0402C 114.054,46.796 r0 top
C79 "100nF 50V" 0603C 115.595,8.534 r180 top
C80 "1.0µF 25V" 0603C 116.18,16.662 r180 top
C81 "22uF 16V" 1210C 72.732,80.688 r0 top
C82 "22uF 16V" 1210C 72.732,83.787 r0 top
C83 "100nF 50V" 0603C 119.429,8.597 r180 top
C84 "100nF 50V" 0402C 118.452,22.307 r270 top
C85 "100nF 50V" 0402C 118.941,39.893 r90 top
C86 "100nF 50V" 0402C 119.024,28.77 r270 top
C87 "100nF 50V" 0402C 119.024,33.796 r270 top
C88 "2.2µF 25V" 0805C 121.032,40.098 r90 top
C89 "10nF 50V" 0603C 128.486,50.19 r90 top
C90_1 "10µF 10V" 0805C 119.969,85.257 r270 top (schematic designator C90)
C90_2 "10µF 10V" 0805C 135.419,89.33 r90 top (schematic designator C90)
C91 "22uF 16V" 1210C 72.732,86.885 r0 top
C92_1 "1.0µF 25V" 0603C 119.969,68.483 r270 top (schematic designator C92)
C92_2 "1.0µF 25V" 0603C 141.452,72.52 r270 top (schematic designator C92)
C93_1 "100nF 50V" 0603C 116.159,68.499 r90 top (schematic designator C93)
C93_2 "100nF 50V" 0603C 137.579,72.52 r90 top (schematic designator C93)
C94_1 "100nF 50V" 0603C 116.012,85.131 r270 top (schematic designator C94)
C94_2 "100nF 50V" 0603C 141.407,89.225 r90 top (schematic designator C94)
C95_1 "GRM188R72A104KA35J" 0603C 112.477,64.433 r0 top value=0.1uF (schematic designator C95)
C95_2 "GRM188R72A104KA35J" 0603C 20.925,53.873 r270 top value=0.1uF (schematic designator C95)
C96 "100nF 50V" 0603C 124.278,14.595 r270 top
C97_1 "GRM1885C1H560JA01D" 0603C 105.422,102.711 r225 top value=56pF (schematic designator C97)
C97_2 "GRM1885C1H560JA01D" 0603C 135.119,103.318 r180 top value=56pF (schematic designator C97)
C98 "100nF 50V" 0603C 126.055,31.644 r180 top
C99 "1.0µF 25V" 0603C 125.707,14.595 r270 top
C100 "100nF 50V" 0603C 126.92,21.196 r180 top
C101 "100nF 50V" 0603C 126.92,41.996 r180 top
C102 "100nF 50V" 0603C 136.644,53.431 r0 top
C103 "10nF 50V" 0603C 132.122,53.589 r0 top
C104 "100nF 50V" 0603C 127.575,34.383 r270 top
C105 "100nF 50V" 0603C 127.66,39.184 r270 top
C106_1 "GCM188R71H472KA37D" 0603C 109.002,103.234 r135 top value=4700pF (schematic designator C106)
C106_2 "GCM188R71H472KA37D" 0603C 138.252,98.909 r90 top value=4700pF (schematic designator C106)
C107_1 "GRM1885C1H560JA01D" 0603C 109.567,106.727 r45 top value=56pF (schematic designator C107)
C107_2 "GRM1885C1H560JA01D" 0603C 140.704,103.298 r0 top value=56pF (schematic designator C107)
C108 "100nF 50V" 0603C 140.962,48.73 r180 top
C109_1 "GRM1885C2A220JA01D" 0603C 102.304,81.317 r270 top value=22pF (schematic designator C109)
C109_2 "GRM1885C2A220JA01D" 0603C 37.81,64.046 r180 top value=22pF (schematic designator C109)
C110 "1.0µF 25V" 0603C 77.768,93.711 r270 top
C111_1 "202R18W102KV4E" 1206C 101.676,74.041 r90 top value=1000pF (schematic designator C111)
C111_2 "202R18W102KV4E" 1206C 30.533,64.673 r0 top value=1000pF (schematic designator C111)
C112_1 "GCM188R71E473KA37D" 0603C 107.823,89.916 r90 top value=0.047uF (schematic designator C112)
C112_2 "GCM188R71E473KA37D" 0603C 46.408,58.526 r0 top value=0.047uF (schematic designator C112)
C113 "1500pF 50V" 0402C 69.39,90.78 r90 top
C114 "1200pF 50V" 0402C 70.3,90.78 r90 top
C115 "10nF 50V" 0402C 76.51,93.838 r270 top
C119 "100nF 50V" 0603C 143.711,32.389 r270 top
C120 "100nF 50V" 0603C 143.711,36.822 r270 top
C121 "GRM31CR72A105KA01L" CAPC3216X180X55ML20T25 98.313,92.951 r180 top
C122 "10nF 50V" 0402C 94.172,93.281 r270 top
C124 "GRM31CR72A105KA01L" CAPC3216X180X55ML20T25 97.982,102.633 r180 top
C200_1 "100n/50V" 0603C 35.162,70.075 r180 top (schematic designator C200)
C200_2 "100n/50V" 0603C 19.247,137.765 r90 bottom (schematic designator C200)
C250_1 "100nF 50V" 0603C 24.827,74.598 r180 top (schematic designator C250)
C250_2 "100nF 50V" 0603C 27.482,87.585 r180 top (schematic designator C250)
C250_3 "100nF 50V" 0603C 37.137,88.076 r270 bottom (schematic designator C250)
C250_4 "100nF 50V" 0603C 25.399,88.071 r270 bottom (schematic designator C250)
C251_1 "100n/50V" 0603C 18.76,73.576 r270 top (schematic designator C251)
C251_2 "100n/50V" 0603C 19.304,85.459 r180 top (schematic designator C251)
C251_3 "100n/50V" 0603C 32.819,88.071 r270 bottom (schematic designator C251)
C251_4 "100n/50V" 0603C 21.095,88.071 r270 bottom (schematic designator C251)
C400_1 "27p/50V" 0603C 32.232,91.167 r0 top (schematic designator C400)
C400_2 "27p/50V" 0603C 25.785,91.162 r180 top (schematic designator C400)
C400_3 "27p/50V" 0603C 34.973,88.076 r90 bottom (schematic designator C400)
C400_4 "27p/50V" 0603C 23.247,88.071 r90 bottom (schematic designator C400)
C1201 "100nF 50V" 0603C 55.245,115.265 r180 bottom
C1203 "100nF 50V" 0603C 73.209,115.265 r180 bottom
C1205 "100nF 50V" 0603C 61.214,115.265 r180 bottom
C1209 "100nF 50V" 0603C 67.292,115.265 r180 bottom
C1302 "100n/50V" 0603C 126.642,87.238 r0 top
C1303 "100n/50V" 0603C 126.672,73.528 r0 top
C1501 "100n/50V" 0603C 83.155,10.086 r90 top
C1502 "1u/50V" 0603C 72.603,2.141 r180 bottom
D1 "MM3Z12VT1G" SODFL250X110-2N 43.754,108.984 r270 top
D2 "MM3Z12VT1G" SODFL250X110-2N 48.717,109.017 r270 top
D3 "CDSOD323-T05" SODFL250X110-2N 72.499,101.375 r180 top
D4 "CDSOD323-T05" SODFL250X110-2N 66.499,101.375 r180 top
D5 "CDSOD323-T05" SODFL250X110-2N 60.414,101.375 r180 top
D6 "CDSOD323-T05" SODFL250X110-2N 54.385,101.375 r180 top
D7_1 "40V" SMAF 111.152,68.267 r0 top (schematic designator D7)
D7_2 "40V" SMAF 24.76,55.197 r270 top (schematic designator D7)
D8_1 "DFLZ24-7" PowerDI123 110.227,80.748 r0 top value=24V (schematic designator D8)
D8_2 "DFLZ24-7" PowerDI123 37.24,56.122 r270 top value=24V (schematic designator D8)
D10 "NF" NF_SOD-523 150.413,55.519 r270 top
D12 "MBR0520L" ONSC-SOD-123-2-425-04_V 128.236,92.602 r180 bottom
D13 "BZX84C5V1ET1G" ONSC-SOT-23-3-318-08_V 130.793,96.215 r180 bottom
D14 "MBR0520L" ONSC-SOD-123-2-425-04_V 128.192,100.222 r180 bottom
D15_1 "MMSZ5232BS-7-F" SOD-323 105.105,65.354 r180 top value=5.6V (schematic designator D15)
D15_2 "MMSZ5232BS-7-F" SOD-323 21.846,61.244 r90 top value=5.6V (schematic designator D15)
D16_1 "75V" SOD-323 105.006,80.535 r180 top (schematic designator D16)
D16_2 "75V" SOD-323 37.027,61.344 r90 top (schematic designator D16)
D1001_1 "d_si_sma_1A" DIOM4326X24N 55.245,107.437 r0 bottom (schematic designator D1001)
D1001_2 "d_si_sma_1A" DIOM4326X24N 61.214,107.437 r0 bottom (schematic designator D1001)
D1001_3 "d_si_sma_1A" DIOM4326X24N 67.292,107.437 r0 bottom (schematic designator D1001)
D1001_4 "d_si_sma_1A" DIOM4326X24N 73.298,107.437 r0 bottom (schematic designator D1001)
Designator15 "Comment" HOLE_3.2_ISO 151,99.628 r0 top
Designator16 "Comment" HOLE_3.2_ISO 79.5,106 r0 top
Designator17 "Comment" HOLE_3.2_ISO 47,100 r0 top locked
Designator18 "Comment" HOLE_3.2_ISO 7,100 r0 top locked
Designator19 "Comment" HOLE_3.2_ISO 7,25 r0 top locked
Designator20 "Comment" HOLE_3.2_ISO 47,25 r0 top locked
Designator21 "Comment" HOLE_3.2_ISO 78,25 r0 top locked
Designator22 "Comment" HOLE_3.2_ISO 153,25 r0 top locked
IC1 "MB85RS2MTAPNF-G-BDERE1" SOIC127P600X175-8N 69.755,19.694 r0 top
IC1_1 "STM32F429VIT6" STM-LQFP100_N 22.543,19.354 r180 top locked
IC2_1 "AQY272A" AQY27_PDIP_SMD 52.929,45.361 r0 top (schematic designator IC2)
IC2_2 "AQY272A" AQY27_PDIP_SMD 81.77,40.253 r180 top locked (schematic designator IC2)
IC2_3 "AQY272A" AQY27_PDIP_SMD 81.77,49.867 r180 top locked (schematic designator IC2)
IC2_4 "AQY272A" AQY27_PDIP_SMD 81.77,59.481 r180 top (schematic designator IC2)
IC3 "ISO7761DWR" DW0016B_N 92.663,70.861 r270 top value=Value
IC4 "IS42S16400J-7TLI" TSOP80P1180X120-54N 135.716,31.596 r0 top locked
IC4_1 "ISO7762DBQR" DBQ0016A_N 42.215,31.725 r0 top locked value=Value
IC5 "AQY212GHA" PAN_AQY21-SO4 31.164,40.385 r0 top locked
IC6 "AQY212GHA" PAN_AQY21-SO4 31.164,45.65 r180 top locked
IC7 "AQY212GHA" PAN_AQY21-SO4 44.85,40.332 r0 top locked
IC8 "LT3092EDD#TRPBF" LT-DD-8_V 36.611,50.423 r180 top
IC9 "AQY212GHA" PAN_AQY21-SO4 44.85,45.626 r180 top locked
IC10 "STM32F429IIT6" STM-LQFP176_N 103.822,31.784 r90 top locked
IC11 "ADR3425ARJZ-R2" ADI-RJ-6_N 121.929,14.132 r90 top
IC13 "LTC2990" MSOP-10 133.897,51.002 r0 top locked
IC16 "DS1339-U33" USOP-8 144.39,51.049 r180 top
IC18 "TPS26602RHFR" RHF0024A 96.082,97.217 r180 top value=Value
IC19 "TVS3301DRBR" DRB0008F 97.982,105.6 r0 top value=Value
IC20 "TVS3301DRBR" DRB0008F 87.034,105.19 r0 top value=Value
IC250_1 "LTC6820HMS#PBF" LT-MS-16_M 22.749,77.591 r0 top (schematic designator IC250)
IC250_2 "LTC6820HMS#PBF" LT-MS-16_M 23.393,85.094 r90 top (schematic designator IC250)
IC250_3 "LTC6820HMS#PBF" LT-MS-16_M 34.973,83.993 r0 bottom (schematic designator IC250)
IC250_4 "LTC6820HMS#PBF" LT-MS-16_M 23.287,83.993 r0 bottom (schematic designator IC250)
IC906_1 "ESDS302DBVR" DBV0005A_N 152.707,106.749 r0 top value=Value (schematic designator IC906)
IC906_2 "ESDS302DBVR" DBV0005A_N 8.262,106.766 r0 top value=Value (schematic designator IC906)
IC907_1 "FT231XS-R" SSOP-20_L 153.629,90.776 r180 top (schematic designator IC907)
IC907_2 "FT231XS-R" SSOP-20_L 9.183,90.792 r180 top (schematic designator IC907)
IC908_1 "ISO7741DWR" DW0016B_N 150.954,79.263 r270 top value=Value (schematic designator IC908)
IC908_2 "ISO7741DWR" DW0016B_N 6.524,78.943 r270 top value=Value (schematic designator IC908)
IC1303 "ISO1432DWR" DW0016B_N 130.706,80.583 r90 top value=Value
J1 "95501-2441" 95501-2441 34.833,105.512 r180 top locked
J2 "95501-2441" 95501-2441 23.139,105.512 r180 top
JP200_1 "0R" RESC1608X05N 27.883,83.374 r0 top (schematic designator JP200)